# Altium PCB SDDDV1.2.PcbDoc
Units mil, origin at the board's own origin, x right, y up, seen from the top; angles counter-clockwise.
Board outline 1397.64 x 1240.16 mil, 2 copper layers (Top Layer, Bottom Layer), stack 46.457 mil thick; 27 components, 25 nets, 107 pads, 61 vias.
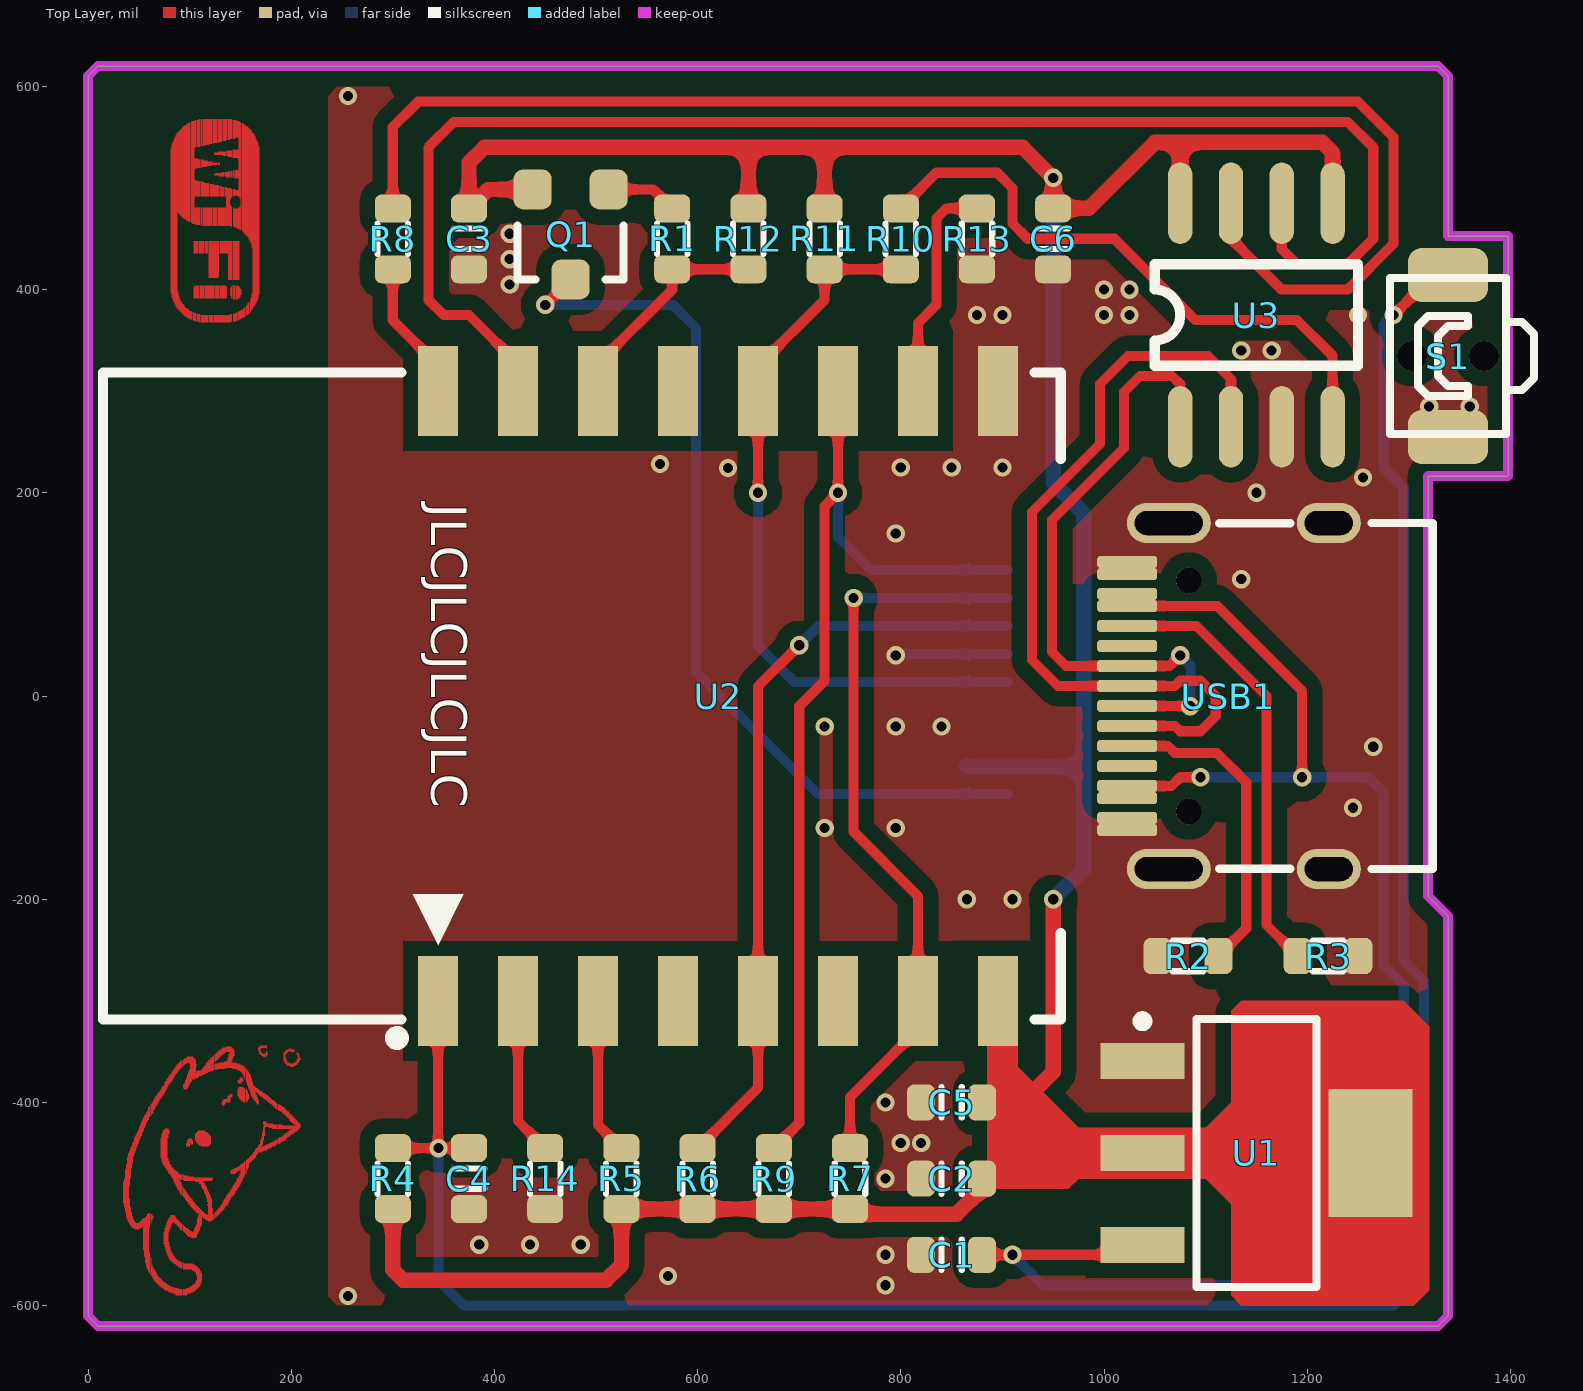
[diagram p0: Top Layer view]
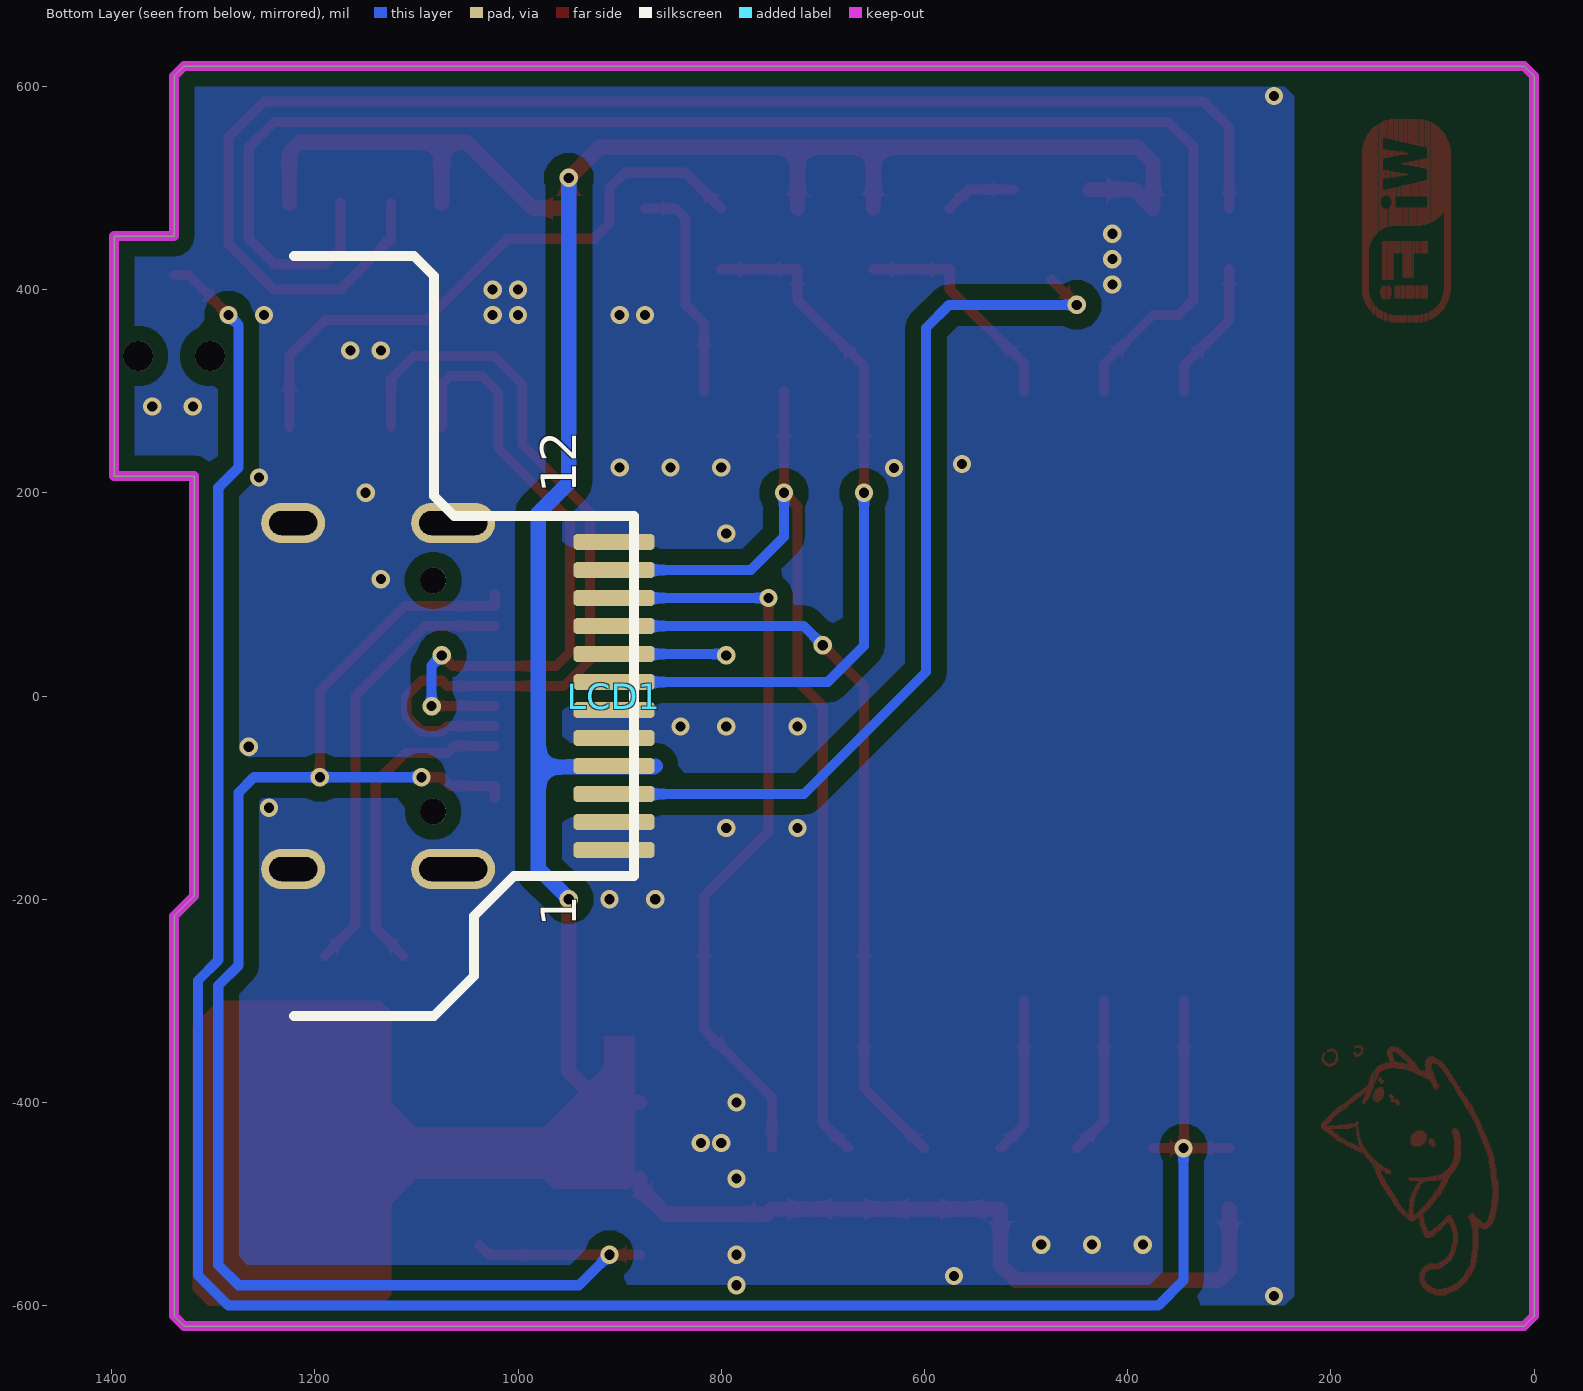
[diagram p1: Bottom Layer view, seen from below]
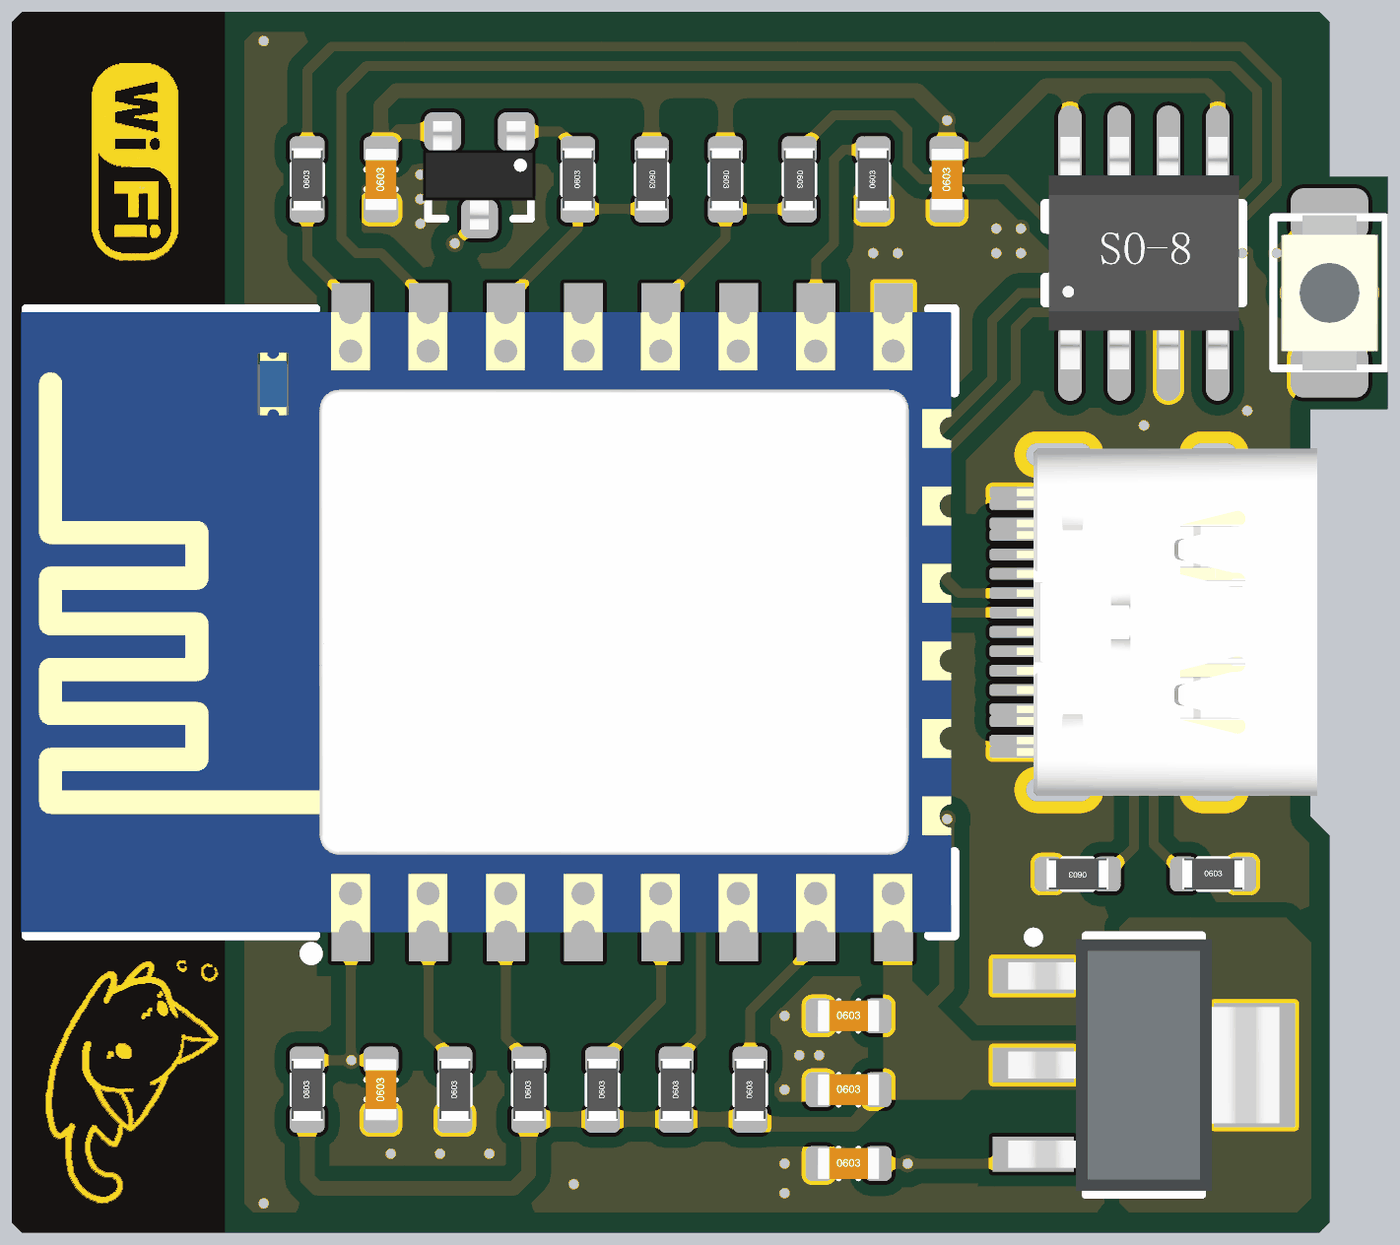
[diagram p2: 3D render of the assembled board from above, using the file's embedded part models]

## Layer stack, top to bottom
Top Solder: solder mask 0.3937, Solder Resist, Dk 3.5
Top Layer: signal copper 1.5748
Dielectric 1: dielectric 43.3071, FR-4, Dk 4.8
Bottom Layer: signal copper 1.5748
Bottom Solder: solder mask 0.3937, Solder Resist, Dk 3.5

## Board outline
0,-610.24 0,610.24 9.84,620.08 1328.74,620.08 1338.58,610.24 1338.58,452.76 1397.64,452.76 1397.64,216.54 1318.9,216.54 1318.9,-196.85 1338.58,-216.54 1338.58,-610.24 1328.74,-620.08 9.84,-620.08

## Design rules (kind name [scope] priority, off if disabled: settings)
Clearance poly [InPoly] p1: gap=15 ignorepadtopadclearanceinfootprint=FALSE
Clearance [All] p2: gap=7 ignorepadtopadclearanceinfootprint=FALSE
PlaneConnect [All] p1: planeconnectstyle=Direct reliefexpansion=20 reliefentries=4 reliefconductorwidth=10 reliefairgap=10
PolygonConnect [All] p1: connectstyle=Direct reliefconductorwidth=10 reliefentries=4 polygonreliefangle="90 Angle" airgapwidth=10
RoutingVias [All] p1: holewidth=28 width=50 viastyle="Through Hole" minholewidth=28 minwidth=50 maxholewidth=28 maxwidth=50
SolderMaskExpansion [All] p1: expansion=4 istentingtop=FALSE
Width [All] p1: maxlimit=100 minlimit=8 preferedwidth=10
29 further rules are at their usual default settings.

## Components (designator, comment, footprint, x,y, rotation, side; value= is the part's Value field where it differs from the comment)
C1 "10uF/25V" C_0603 850,-550 r0 top value=0.1u
C2 "10uF/25V" C_0603 850,-475 r0 top value=0.1u
C3 "0.1uF/50V" C_0603 375,450 r90 top value=100pF
C4 "0.1uF/50V" C_0603 375,-475 r90 top value=100pF
C5 "0.1uF/50V" C_0603 850,-400 r0 top value=100pF
C6 "0.1uF/50V" C_0603 950,450 r90 top value=100pF
LCD1 "ST7789-240x240-1.54" LCD-240X240-12P 905.51,0 r270 bottom
Q1 "AO3401" SOT-23-y 475,454.29 r180 top
R1 "1K" R_0603 575,450 r90 top value=22R
R2 "5.1K" R_0603 1082.68,-255.91 r180 top value=22R
R3 "5.1K" R_0603 1220.47,-255.91 r0 top value=22R
R4 "12K" R_0603 300,-475 r90 top value=22R
R5 "12K" R_0603 525,-475 r90 top value=22R
R6 "12K" R_0603 600,-475 r90 top value=22R
R7 "12K" R_0603 750,-475 r90 top value=22R
R8 "200R" R_0603 300,450 r90 top value=22R
R9 "12K" R_0603 675,-475 r90 top value=22R
R10 "200R" R_0603 800,450 r270 top value=22R
R11 "12K" R_0603 725,450 r270 top value=22R
R12 "12K" R_0603 650,450 r270 top value=22R
R13 "12K" R_0603 875,450 r90 top value=22R
R14 "12K" R_0603 450,-475 r90 top value=22R
S1 "SW-PB" YD-3410 1338.58,334.65 r90 top
U1 "AMS1117-3.3" SOT223_y 1150,-450 r270 top
U2 "ESP8266" 8266 649.61,0 r90 top
U3 "CH340N" SO-8 1150,375 r90 top
USB1 "Type-C" Type-C-TOP 1122.05,0 r0 top

## Footprints (in the part's own frame and the unit in brackets; to place one, negate y for a bottom-side part, rotate by r counter-clockwise, add the part's x,y. Pads: shape width x height; smd on the part's side, far side on the other; paste and mask are expansions set on the pad)
8266 [mm]
  rect 2.25x1 smd: 1(-7.625,7.75) 2(-7.625,5.75) 3(-7.625,3.75) 4(-7.625,1.75) 5(-7.625,-0.25) 6(-7.625,-2.25) 7(-7.625,-4.25) 8(-7.625,-6.25) 15(7.625,-6.25) 16(7.625,-4.25) 17(7.625,-2.25) 18(7.625,-0.25) 19(7.625,1.75) 20(7.625,3.75) 21(7.625,5.75) 22(7.625,7.75)
  silkscreen extent -8.7,-7.82 8.08,16.12, body extent -8,-7.74 8,16.26, height 2.75
C_0603 [mm]
  rrect50% 0.7x0.9 smd: 1(-0.762,0) 2(0.762,0)
  silkscreen extent -0.25,-0.38 0.25,0.38, body extent -0.8,-0.41 0.8,0.41, height 0.81
LCD-240X240-12P [mm]
  rrect50% 0.4x2.032 smd: 1(3.85,0) 2(3.15,0) 3(2.45,0) 4(1.75,0) 5(1.05,0) 6(0.35,0) 7(-0.35,0) 8(-1.05,0) 9(-1.75,0) 10(-2.45,0) 11(-3.15,0) 12(-3.85,0)
  silkscreen extent -11,-8 8,0.5
R_0603 [mm]
  rrect50% 0.7x0.9 smd: 1(-0.762,0) 2(0.762,0)
  silkscreen extent -0.38,-0.38 0.38,0.38, body extent -0.8,-0.4 0.8,0.4, height 0.4
SO-8 [mil]
  oval 80x24 smd: 1(-110,75) 2(-110,25) 3(-110,-25) 4(-110,-75) 5(110,-75) 6(110,-25) 7(110,25) 8(110,75)
  silkscreen extent -50,-100 50,100, body extent -118,-96 118,96, height 67
SOT223_y [mm] "SOT223, 4-Leads, Body 6.5x3.5mm, Pitch 2.3mm, Lead Span 7mm, IPC High Density"
  rect 0.9x2.1 smd: 1(-2.3,-2.85) 2(0,-2.85) 3(2.3,-2.85)
  rect 3.2x2.1 smd: 2(0,2.85)
  silkscreen extent -3.42,-2.97 3.35,1.5, body extent -3.25,-3.5 3.25,3.5, height 1.8
SOT-23-y [mm] "Surface mount NPN transistor, package SOT-23"
  rrect50% 0.95x1 smd: 1(-0.95,-1.125) 2(0.95,-1.125) 3(0,1.125)
  silkscreen extent -1.33,-0.22 1.32,1.13, body extent -1.45,-1.4 1.45,1.4, height 1.3
Type-C-TOP [mm]
  round 0.65 hole 0.65: 0(-0.98,-2.89) 0(-0.98,2.89)
  oval 1.6x1 hole 0.6 slot 1.2 at 0 deg: 1(2.52,4.325) 2(2.52,-4.325)
  oval 2.1x1 hole 0.6 slot 1.7 at 0 deg: 3(-1.48,-4.325) 4(-1.48,4.325)
  rrect50% 1.5x0.3 smd: A1(-2.52,-3.35) A4(-2.52,-2.55) A5(-2.52,-1.25) A6(-2.52,-0.25) A7(-2.52,0.25) A8(-2.52,1.25) A9(-2.52,2.55) A12(-2.52,3.35) B1(-2.52,3.05) B4(-2.52,2.25) B5(-2.52,1.75) B6(-2.52,0.75) B7(-2.52,-0.75) B8(-2.52,-1.75) B9(-2.52,-2.25) B12(-2.52,-3.05)
  silkscreen extent -0.22,-4.33 5.12,4.33, body extent -2.57,-4.48 5.18,4.48, height 3.26
YD-3410 [mm] "贴片按键 侧"
  rrect50% 1.35x2 smd: 1(-2.025,0) 2(2.025,0)
  silkscreen extent -1.95,-2.15 1.95,1.45, body extent -2,-1.25 2,1.25, height 1.6

## Part data
C1 C2: library part 电容-0402, "Capacitor"
C3 C4 C5 C6: library part Cap, "Capacitor", LatestRevisionDate=17-Jul-2002, LatestRevisionNote="Re-released for DXP Platform.", PackageDescription="Radial Cap, Thru-Hole; 2 Leads; 0.3 in Pin Spacing", PackageReference=RAD-0.3, Published=8-Jun-2000, Publisher="Altium Limited"
LCD1: library part LCD-240x240, "显示屏"
Q1: library part AO3415A, "MOSFET", LatestRevisionDate=17-Jul-2002, LatestRevisionNote="Re-released for DXP Platform.", PackageDescription="TO, Flat Index; 3 In-Line, Axial Leads; Body Dia. 4.6mm; Lead Dia. 0.5 mm (max)", PackageReference=E3, PackageVersion=1995/1996, Published=8-Jun-2000, Publisher="Altium Limited"
R1 R2 R3 R4 R5 R6 R7 R8 R9 R10 R11 R12 R13 R14: library part 电阻-0402, "Resistor"
S1: "小龟", LatestRevisionDate=17-Jul-2002, LatestRevisionNote="Re-released for DXP Platform.", PackageDescription="Switch; 2 Leads", PackageReference=SPST-2, Published=24-Mar-1999, Publisher="Altium Limited"
U1: library part LM317M
U2: "ESP-12F"
USB1: library part USB-Type-C-TOP

## Via types
v1: diameter 18, hole 10, Top Layer to Bottom Layer, tented both sides, 59 vias
v2: diameter 29.53, hole 29.53, Top Layer to Bottom Layer, 2 vias

## Nets (pads, with @x,y where several pads share a name; then routed paths per layer and width w, separated by ;. In a path a pad name is that pad's centre, name@x,y a point inside that pad or via, vN(x,y) a via of type N, cw(c..) or ccw(c..) an arc to the next point about the centre after c; other vN are vias at no path point)
3V3: C2.2 C3.2 C5.2 C6.2 LCD1.4 Q1.2 R4.1 R5.1 R6.1 R7.1 R9.1 R11.1 R12.1 U1.2 U2.8 U3.5 U3.8 | length 3105.5
  Top Layer w15: R4.1 300,-565 310,-575 510,-575 525,-560 R5.1 R6.1 R9.1 R7.1 755,-510 855,-510 879.99,-485.01 C2.2 ; Q1.2 393.59,498.58 C3.2 375,525 390,540 650,540 ; R12.1 650,540 ; R11.1 725,540 ; C5.2 920,-400 950,-370 v1(950,-200) ; U3.8 1075,545 ; U3.5 1225,535 1215,545 1075,545 ; 650,540 725,540 ; 725,540 920,540 v1(950,510) C6.2 984.99,479.99 1050,545 1075,545
  Bottom Layer w15: 865,-68.9 866.1,-70 980,-70 ; v1(950,-200) 980,-170 980,-70 ; v1(950,510) 950,210 980,180 980,-70
ADC: R14.2 U2.2 | length 155.9
  Top Layer w10: U2.2 423.23,-418.23 R14.2
CC1: R2.1 USB1.A5 | length 314.2
  Top Layer w10: USB1.A5 1062.93,-49.21 1069.97,-56.25 1111.25,-56.25 1140,-85 1140,-228.58 R2.1
CC2: R3.1 USB1.B5 | length 434.2
  Top Layer w10: USB1.B5 1091.1,68.9 1160,0 1160,-225.43 R3.1
DC: LCD1.7 R10.2 R11.2 U2.18 | length 733.6
  Top Layer w10: v1(659.45,200) U2.18 659.45,324.45 725,390 R11.2 R10.2
  Bottom Layer w10: v1(659.45,200) 659.45,49.33 695,13.78 LCD1.7
EN: R5.2 U2.3 | length 154.3
  Top Layer w10: U2.3 501.97,-421.97 R5.2
GND: C1.1 C2.1 C3.1 C4.1 C5.1 C6.1 LCD1.1 LCD1.2 LCD1.5 LCD1.6 LCD1.8 LCD1.12 R2.2 R3.2 R13.1 R14.1 S1.1 U1.1 U2.15 U3.3 USB1.1 USB1.2 USB1.3 USB1.4 USB1.A1 USB1.A12 USB1.B1 USB1.B12 | length 111.1
  Bottom Layer w10: v1(795,40) 796.34,41.34 LCD1.8
  other v1: 255.91,-590.55 785,-580 570.87,-570.87 785,-550 385,-540 435,-540 485,-540 785,-475 800,-440 820,-440 785,-400 865,-200 910,-200 725,-130 795,-130 1245,-110 1265,-50 725,-30 795,-30 840,-30 1135,115 795,160 1150,200 1255,215 629.92,224.41 800,225 850,225 900,225 562.99,228.35 1320,285 1360,285 1135,340 1165,340 875,375 900,375 1000,375 1025,375 1250,375 1000,400 1025,400 415,405 415,430 415,455 255.91,590.55
GPIO2: LCD1.11 R9.2 U2.17 | length 995.5
  Top Layer w10: R9.2 700,-420.01 700,-10 725,15 725,186.81 v1(738.19,200) U2.17
  Bottom Layer w10: v1(738.19,200) 738.19,156.81 770.98,124.02 LCD1.11
GPIO4: U2.19
GPIO5: R1.1 R12.2 U2.20 | length 225.1
  Top Layer w10: U2.20 501.97,326.97 575,400 R1.1 R12.2
GPIO12: U2.6
GPIO13: LCD1.10 R7.2 U2.7 | length 747.4
  Top Layer w10: R7.2 750,-395 816.93,-328.07 U2.7 816.93,-196.93 753.54,-133.54 v1(753.54,96.46)
  Bottom Layer w10: v1(753.54,96.46) LCD1.10
GPIO14: LCD1.9 R6.2 U2.5 | length 749.8
  Top Layer w10: R6.2 659.45,-385.56 U2.5 659.45,9.45 v1(700,50)
  Bottom Layer w10: v1(700,50) 718.9,68.9 LCD1.9
GPIO15: R13.2 U2.16 | length 221.4
  Top Layer w10: U2.16 816.93,366.93 835,385 835,470 844.99,479.99 R13.2
GPIO16: U2.4
LCD_BL_VCC: LCD1.3 Q1.3 | length 888.6
  Top Layer w10: v1(450,385) Q1.3
  Bottom Layer w10: v1(450,385) 575.63,385 598.43,362.2 598.43,23.62 718.5,-96.46 LCD1.3
NetQ1_1: Q1.1 R1.2 | length 70.3
  Top Layer w10: Q1.1 556.41,498.58 R1.2
NetR8_2: R8.2 U3.7 | length 1429.2
  Top Layer w10: R8.2 300,560 325,585 1250,585 1285,550 1285,445 1240,400 1175,400 1125,450 U3.7
NetR10_1: R10.1 U3.4 | length 604.6
  Top Layer w10: R10.1 835,515 895,515 910,500 910,465 925,450 1010,450 1090,370 1190,370 1225,335 U3.4
REST: C4.2 R4.2 S1.2 U2.1 | length 2378.2
  Top Layer w10: R4.2 v1@344.49,-445.01 ; U2.1 v1@344.49,-445.01 ; C4.2 v1@344.49,-445.01 ; v1(1285,375) 1324.37,414.37 S1.2
  Bottom Layer w10: v1(345,-445) 345,-575 370,-600 1285,-600 1315,-570 1315,-280 1295,-260 1295,205 1275,225 1275,365 v1(1285,375)
RXD: U2.21 U3.6 | length 1483.3
  Top Layer w10: U2.21 423.23,326.77 375,375 350,375 335,390 335,540 360,565 1240,565 1265,540 1265,450 1240,425 1190,425 1175,440 U3.6
TXD: R8.1 U2.22 | length 138.2
  Top Layer w10: R8.1 300,370 344.49,325.51 U2.22
USB_D+: U3.1 USB1.A6 USB1.B6 | length 644.9
  Top Layer w10: USB1.A6 1084.84,-9.84 v1(1085,-10) ; v1(1075,40) 1064.53,29.53 USB1.B6 962.6,29.53 948.82,43.31 948.82,173.23 1019.69,244.09 1019.69,299.21 1035.43,314.96 1066.93,314.96 1075,306.89 U3.1
  Bottom Layer w10: v1(1075,40) 1085,30 v1(1085,-10)
USB_D-: U3.2 USB1.A7 USB1.B7 | length 811.1
  Top Layer w10: USB1.B7 1069.84,-29.53 1075,-34.69 1095,-34.69 1110,-19.69 1110,0 1095,15 1075,15 1069.84,9.84 USB1.A7 954.72,9.84 929.13,35.43 929.13,181.1 996.06,248.03 996.06,307.09 1023.62,334.65 1102.36,334.65 1125,312.01 U3.2
VDD_5V: C1.2 U1.3 USB1.A4 USB1.A9 USB1.B4 USB1.B9 | length 1618.1
  Top Layer w10: C1.2 v1(910,-550) 1028.35,-550 U1.3 ; USB1.A4 USB1.B9 1066.42,-88.58 1075,-80 v1(1095,-80) ; USB1.A9 USB1.B4 1111.42,88.58 1195,5 v1(1195,-80)
  Bottom Layer w10: v1(910,-550) 940,-580 1275,-580 1295,-560 1295,-285 1275,-265 1275,-95 1260,-80 v1(1195,-80) v1(1095,-80)
pads on no net: USB1.0 USB1.A8 USB1.B8
copper on no net: | length 15942